# KiCad board Lime_RFE.kicad_pcb (continued)
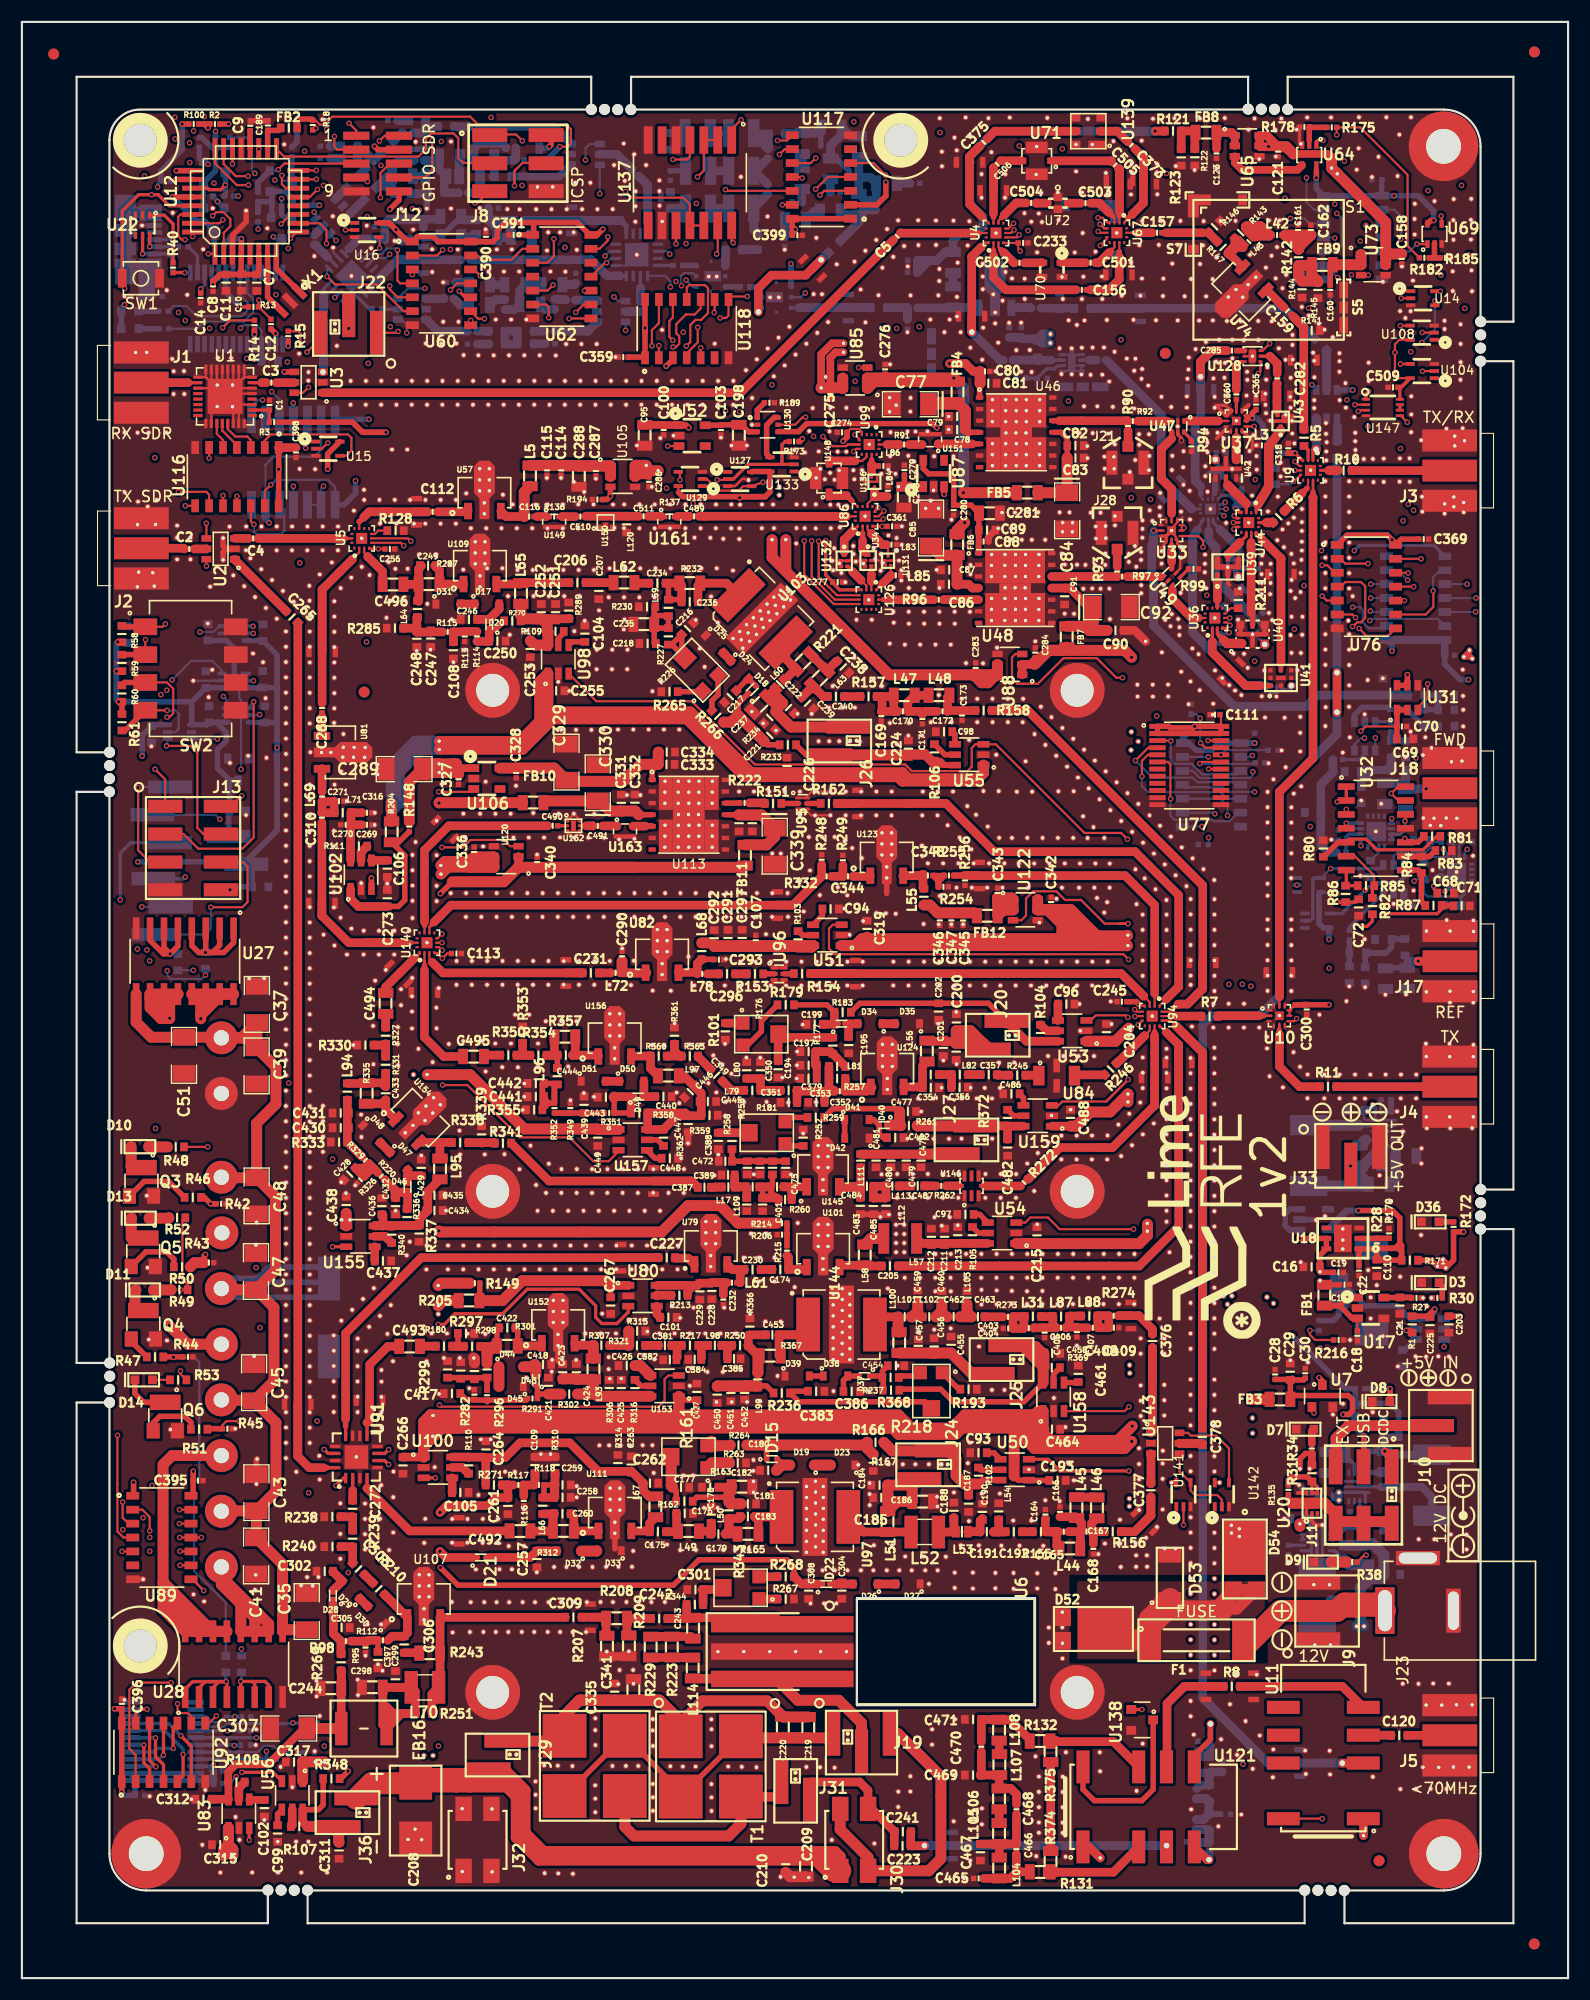
[diagram p0: board, top side]
## Routing (per net, layer and track width the routed paths; a pad name or vN(x,y) marks a point on that pad's centre or on a via; arc(x,y) is an arc through that point) (continued)
  T w0.5: 59.3,121.69 R226.2 60.22,120.77 C216.2 59.3,121.69 ; 59.3,121.69 R227.1
Net-(C217-Pad1): length 2.6
  T w0.5: D18.2 66.96,117.93 D24.2 65.18,117.5 C217.1
Net-(C218-Pad1): length 7.6
  T w0.5: C235.1 58.05,123.19 R227.2 L59.1 ; C235.1 57.7,124.34 ; C235.1 57.7,121.79 57.7,121.79 ; R230.2 57.7,125.04 57.7,124.34 ; 57.7,124.34 58.95,124.34 L59.1 ; L59.1 58.65,124.29
Net-(C219-Pad1): length 46.3
  T w0.3: 60.12,17.02 T2.1
  T w0.5: T2.3 T2.1 60.12,17.02 T1.3 T1.1 ; T1.1 66.38,22.07 ; T1.1 67.37,20.31
  T w0.79: 60.71,15.62 60.71,17.21
  T w1: 69.47,21.92 C219.1 ; C219.1 73.71,21.92 J19.1 ; C219.1 65.76,21.92 T1.1 65.72,21.96
Net-(C219-Pad2): length 49.9
  T w0.5: 49.52,23.15 T2.2 49.42,22.21
  T w1: 60.12,23.32 62.1,25.3 67.99,25.3 C220.2 69.47,23.83 C219.2 ; 58.22,25.32 60.12,23.43 58.16,25.38 C341.2 ; 58.22,25.32 50.85,25.32 49.52,23.99 ; 58.22,25.32 57.5,25.32 57.44,25.38 C335.2 50.91,25.38 49.52,23.99 ; 49.52,23.99 T2.2 ; 49.52,23.99 T2.2 ; T2.2 49.03,21.62 J29.2
Net-(C221-Pad1): length 12.3
  T w0.5: D18.1 65.35,116.29 65.35,115.24 68.05,112.54 R233.1
  T w1: R266.2 64.72,114.61 65.35,115.24 67.72,112.87 C221.1
Net-(C222-Pad2): length 14.8
  T w0.79: C237.2 68.76,117.66 L60.1 68.81,117.08 69.52,116.37 69.52,116.32 R234.2 ; C237.2 68.78,116.16 R234.2 ; C237.2 68.02,116.91 ; R234.2 70.19,114.16 ; R234.2 68.97,115.57
  T w1: R234.2 70.19,114.16 J26.1
Net-(C223-Pad2): length 17
  T w0.79: 71.76,14.9 71.76,17.61 72.04,17.89 76.44,17.89 77.21,17.12 77.21,16.05 ; 77.21,15.11 77.21,16.05 ; 77.21,16.05 77.21,15.15 77.21,16.05 ; J30.3 77.56,15.44 C241.2 79.61,13.32 C223.2
Net-(C224-Pad1): length 20.3
  T w0.5: R233.2 71.57,111.62 J26.2 ; 83.12,110.69 82.37,111.44 C224.1 80.72,111.62 80.98,111.89 82.49,111.89 R106.1 83.83,111.1 84.24,110.69 U55.6 83.12,110.69
  T w1: J26.2 80.72,111.62
Net-(C227-Pad1): length 2
  T w0.79: U79.1 60.81,65.69 59.6,65.69
Net-(C228-Pad1): length 9.9
  T w0.79: 62.96,63.46 C228.1 ; 62.96,63.46 C228.1 ; 62.96,63.46 L61.1 ; 62.96,63.46 64.05,63.46 64.01,63.42 C232.1 ; C228.1 62.92,63.42 C229.1 61.66,63.21 61.31,63.21 ; 61.31,63.21 60.75,62.66 R213.1 ; 61.31,63.21 U80.6
Net-(C230-Pad2): length 3.4
  T w0.5: L61.2 65.55,63.46
  T w0.79: 65.55,63.46 65.55,64.28 C230.2 64.84,64.66 U79.3
Net-(C231-Pad1): length 2.1
  T w0.5: C231.1 52.67,91.73 L72.2
  T w0.79: L72.2 53.73,91.73 C231.1
Net-(C234-Pad1): length 5.9
  T w0.5: C236.2 60,125.79 L59.2 59,127.04 C234.1
  T w0.79: C236.2 60.2,127.09 R232.2 C234.1
Net-(C234-Pad2): length 1.4
  T w0.79: L62.1 55.95,127.29 C234.2
Net-(C236-Pad1): length 6.8
  T w0.79: 64.85,126.74 U103.1 ; U103.1 64.3,127.29 R232.1 61.7,127.09 C236.1 ; U103.1 65.09,126.2
Net-(C238-Pad1): length 3.4
  T w0.79: R221.1 L63.2 74.33,120.17 C238.1
Net-(C239-Pad1): length 3.3
  T w0.79: C239.1 72.12,117.83 L63.1 73.14,116.95 C240.2
Net-(C242-Pad1): length 12
  T w0.79: 60.84,32.88 60.77,32.81 C242.1 ; 60.84,32.88 60.66,33.06 R344.2 ; 60.84,32.88 68.8,32.88 U6.1
Net-(C242-Pad2): length 3.9
  T w0.79: C242.2 57.39,32.83 R208.1 55.22,31.52 55.48,31.25
Net-(C243-Pad1): length 5.9
  T w0.79: 57.4,31.17 61.05,31.17 C243.1 ; 57.4,31.17 R229.1 57.4,31.17 ; 57.4,31.17 R223.1
Net-(C244-Pad1): length 23
  T w0.7: C307.1 25.74,22.78 22.47,19.5 19.52,19.5 18.83,18.81 R108.1 18.85,17.87 U83.6
  T w0.79: 29.12,28.02 29.14,27.99 FB16.1 29.17,22.75 ; U83.6 18.82,16.32 C312.1 ; R269.1 29.14,28.06 C244.1
  T w1: 29.12,22.75 FB16.1 29.14,22.78 C307.1
Net-(C246-Pad1): length 2.9
  T w0.79: C246.1 42.62,123.99 D20.2 43.56,124.93 D17.2
Net-(C247-Pad1): length 5
  T w0.79: R115.1 37.31,122.85 37.29,122.82 36.04,122.82 36.04,123.19 ; L64.1 36.04,124.13 36.04,123.19 ; 36.04,123.19 R285.2
Net-(C249-Pad1): length 6.3
  T w0.79: 37.67,128.88 38.1,128.45 R287.1 ; R287.1 38.12,127.21 U109.1 40.28,127.19 R287.1
Net-(C249-Pad2): length 4.8
  T w0.79: 36.47,128.88 36.2,128.61 R287.2 ; R287.2 36.19,127.19 C496.2 ; R287.2 36.22,127.17 36.22,125.63
Net-(C250-Pad1): length 3.8
  T w0.5: R270.2 43.21,123.07 D20.1
  T w0.79: R114.2 42.54,121.99 42.65,122.09 D20.1
Net-(C251-Pad2): length 15
  T w0.7: C252.2 47.95,123.34 R109.1
  T w0.79: 45.5,125.37 L65.1 45.53,124.34 ; 47.35,123.99 47.4,124.04 ; 47.4,124.04 R289.1 49.95,124.09 ; 47.4,124.04 47.3,123.94 ; 47.4,124.04 48.7,124.04 ; 46.65,123.94 47.9,123.94
  T w1: 47.95,123.89 47.9,123.94 47.95,123.89 ; 47.95,123.89 R109.1 ; 48,122.84 R109.1 ; 48,122.84 R109.1 ; 48,122.84 U98.6 46.8,121.64 C253.1 ; L65.1 45.53,124.34 45.83,124.04 47.4,124.04
Net-(C254-Pad1): length 1
  B w0.5: L26.2 36.81,166.88 C254.1
Net-(C257-Pad1): length 8.8
  T w0.5: 46.39,38.39 C257.1 ; 48.79,38.99 D32.2 48.8,38.98 47.66,38.98 ; D21.2 42.66,38.39
  T w0.79: 48.79,38.99 D32.2 48.79,38.99 ; 48.79,38.99 C257.1 46.39,38.39 42.66,38.39
Net-(C258-Pad1): length 7.7
  T w0.5: 48.61,43.87 48.6,43.86 L66.1 47.64,43.96 R118.1 48.63,45
  T w0.79: 48.61,43.87 48.63,43.89 48.63,45 48.65,45.01 R310.1 ; C259.1 C258.1 48.57,43.86 L66.1
Net-(C260-Pad1): length 3.9
  T w0.79: C260.1 50.36,42.09 R312.1 50.38,40.81 U111.1
Net-(C260-Pad2): length 6.1
  T w0.79: C492.2 46.41,40.79 R312.2 ; L66.2 48.57,42.36 C260.2 48.46,42.25 R312.2 ; R312.2 48.46,42.12
Net-(C261-Pad1): length 17.3
  T w0.5: v1(38.15,38.94) 38.7,38.39
  T w0.79: 43.82,45 R271.2 44.35,45 ; 44.35,45 44.35,44.74 44.35,45 ; 44.35,45 R117.2 ; 44.35,45 44.35,43.79 ; v1(38.15,38.94) 38.7,38.39 D21.1 ; v1(38.15,42.49) 38.78,43.13 42.51,43.13 43.23,43.84 C261.1
  SIG1 w0.79: v1(38.15,38.94) v1(38.15,42.49)
Net-(C262-Pad2): length 23.8
  T w0.79: 42.2,47.54 42.32,47.41 R271.1 ; C264.1 44.1,47.49 45.45,48.84 50,48.84 52.6,46.24 R314.2 55.59,46.24 55.61,46.27 56.71,45.16 56.71,44.47 57.22,43.96 L67.1 ; 41.95,47.54 R110.1 40.75,47.55 U100.6
Net-(C265-Pad2): length 6.7
  T w0.79: C265.2 19.43,129.43 U2.1
Net-(C268-Pad2): length 2.1
  T w0.2: 27.38,115.44 C268.2
  T w0.5: C268.2 27.38,115.44 27.38,115.1 ; U81.1 27.38,113.75
  T w0.79: 27.38,113.75 27.39,113.75 27.38,113.76 27.38,115.1
Net-(C269-Pad2): length 6.4
  T w0.79: C270.2 30.02,105.27 L71.1 31.04,106.35 C316.1 ; C270.2 R111.1 U102.6 ; C270.2 C269.2
Net-(C271-Pad1): length 4.4
  T w0.79: 27.39,106.36 C310.1 27.38,106.35 L71.2 28.49,106.38 C271.1 28.45,107.37 L69.1 27.39,106.36
Net-(C272-Pad1): length 2.3
  T w0.79: R239.1 C272.1 30.16,42.1 R238.2
Net-(C282-Pad2): length 2.7
  T w0.3: U128.2 113.89,148.01
  T w0.79: 113.89,148.01 114.56,147.34 C282.2
Net-(C285-Pad1): length 0.7
  T w0.5: C285.1 111.56,148.52 U128.4
Net-(C290-Pad1): length 4.9
  T w0.79: U82.1 56.91,91.73 L72.1 ; 55.33,91.71 56.87,91.71 56.92,91.77
  T w1: 56.91,91.73 U82.1 ; C290.1 54.76,91.87
Net-(C293-Pad1): length 4.6
  T w0.5: C293.1 63.12,92.97 L68.2
  T w0.79: 61.64,92.57 L68.2 61.64,92.57 ; 61.64,92.57 L78.2 ; 59.9,91.78 61.32,91.78
Net-(C294-Pad2): length 5.3
  B w0.79: 119.06,148.28 119.05,148.28 119.05,146.58 ; 119.05,146.58 U8.5 ; 119.05,146.58 119.05,148.55 C294.2
Net-(C295-Pad1): length 1.2
  B w0.79: C295.1 34.64,168.37 L27.2
Net-(C295-Pad2): length 3.4
  B w0.79: C295.2 36.8,168.37 L26.1 36.82,168.91 ; 36.82,168.91 36.82,169.49 L23.1 ; 36.82,168.91 36.85,168.94 L20.1
Net-(C296-Pad2): length 1.1
  T w0.79: C296.2 63.59,91.64 L78.1
Net-(C298-Pad1): length 18.8
  T w0.79: L70.1 35.91,26.15 R251.2 ; L70.1 35.52,26.52 ; L70.1 35.38,26.38 ; L70.1 35.52,26.52 ; L70.1 C298.1 32.93,23.13 FB16.2 ; 35.52,26.52 C299.1 ; FB16.2 34.65,24.14 R251.2 ; FB16.2 33.28,24.74 33.88,24.14 R251.2
Net-(C301-Pad2): length 3.4
  T w0.79: R343.2 63.84,35.45 62.07,35.45 62.16,35.36 R344.1
Net-(C302-Pad1): length 2.5
  T w0.79: C302.1 28.38,37.09 D29.2 28.4,35.38 D28.2
Net-(C303-Pad1): length 1.1
  T w0.79: R210.2 31.27,36.81 C303.1
Net-(C303-Pad2): length 2.6
  T w0.79: C303.2 30.18,37.87 R239.2 30.16,39.37 R240.2
Net-(C304-Pad1): length 2
  T w0.79: D22.2 73.88,35.96 74.82,35.96 D26.2
Net-(C305-Pad1): length 5.2
  T w0.79: R269.2 29.11,29.59 R98.2 28.42,31.44 C305.1 28.44,32.02 28.44,33.24 28.38,33.3 D28.1
Net-(C306-Pad1): length 1.4
  T w0.79: R243.1 36.22,29.69 C306.1
Net-(C306-Pad2): length 8.3
  T w0.79: 34.42,33.68 33.11,34.99 R210.1 33.1,34.99 U107.1 35.17,31.49 C306.2 33.77,31.19 R112.1
Net-(C308-Pad1): length 65.6
  T w0.5: v1(38.18,37.46) 39.78,35.86 59.46,35.86 61.78,38.18 69.81,38.18 70.45,37.53 R268.2 ; v1(29.77,18.87) 29.1,18.2 R348.1
  T w0.79: R268.2 71.13,35.96 71.79,35.96 71.8,35.97 D22.1
  SIG1 w0.5: v1(29.78,37) 29.77,36.99 v1(29.77,18.87)
  SIG2 w0.5: v1(29.78,37) 30.24,37.46 v1(38.18,37.46)
Net-(C309-Pad2): length 20.5
  T w0.79: C309.2 49.57,32.92 U107.3 38.16,32.91 R243.2 38.16,26.67 L70.2 37.41,25.92 R251.1
Net-(C311-Pad1): length 9.5
  T w0.5: R348.2 27.49,15.8 27.06,15.37 U56.6
  T w0.79: 26.05,13.83 R107.1 25.62,14.28 U56.6
  T w1: J36.2 28.91,12.42 C311.1 ; R107.1 27.89,13.84
Net-(C313-Pad2): length 2.4
  B w0.3: 120.04,142.33 120.04,141.33 120.03,141.31
  B w0.79: 120.04,141.64 120.04,140.25
  B w0.86: 120.04,140.25 120.04,140.25
Net-(C314-Pad1): length 1
  B w0.79: C314.1 29.12,167.17 L28.2
Net-(C320-Pad1): length 5
  B w0.79: 42.97,164.41 43.1,164.54 L73.2 43.42,165.89 C320.1 45.08,166.02 C321.2
Net-(C321-Pad1): length 8.7
  B w0.79: C321.1 43.78,167.42 41.67,167.42 41.2,166.95 L73.1 41.81,165.6 L74.2 41.81,162.92 C322.1 C323.2
Net-(C323-Pad1): length 6.4
  B w0.79: C323.1 39.84,162.92 C324.1 38.55,164.23 L76.2 38.05,165.12 38.05,166.2 37.72,165.87 C325.2
Net-(C325-Pad1): length 8.3
  B w0.79: L77.1 33.76,165.22 34.4,165.87 C325.1 ; L77.1 33.76,163.07 C326.1 33.31,163.51 32.45,163.51 33.37,164.43 L77.1
Net-(C330-Pad1): length 15.9
  T w0.5: C330.1 52.39,107.26 FB10.1 ; C332.1 56.28,106.16 U113.4
  T w1: 52.65,107.5 53.66,106.49 C331.1 54.72,106.51 C332.1 56.28,106.16 ; FB10.1 47.76,107.42 C330.1
Net-(C337-Pad1): length 8.8
  T w0.5: C337.1 65.42,106.16 U113.11
  T w1: 65.42,106.16 C337.1 C338.1 67.5,106.14 C339.1 68.7,104.14 67.97,103.41 66.01,103.41
Net-(C343-Pad1): length 7.7
  T w1: 89.05,98.57 89.05,98.26 89.82,97.48 U122.2 ; 89.05,98.57 90.31,98.57 U122.1 U122.2 ; 89.05,98.57 C343.1 89.05,98.57 FB12.2 89.58,97.48 U122.2
Net-(C344-Pad1): length 1.6
  T w0.79: U123.1 77.36,100.54 C344.1
Net-(C344-Pad2): length 2.1
  T w0.79: R249.1 74.92,100.55 C344.2 R332.1
Net-(C345-Pad1): length 7.5
  T w0.2: FB12.1 87.14,96.96 C345.1 ; C346.2 C347.2
  T w1: FB12.1 86.89,97.21 83.57,97.21 82.86,97.92 L55.1
Net-(C348-Pad1): length 3.5
  T w0.5: R255.2 C348.1 83.64,100.1 R254.1
  T w0.6: R255.2 83.64,100.11 R254.1
Net-(C348-Pad2): length 4.9
  T w0.79: 82.21,100.6 C348.2 ; 82.21,100.6 81.84,100.6 ; 82.21,100.6 C348.2 ; C348.2 82.22,99.51 L55.2 ; 82.18,100.61 80.4,100.61 81.82,100.61
  T w1: 82.21,100.6 C348.2 82.21,100.6
Net-(C349-Pad1): length 2.3
  T w0.79: C349.1 64.77,81.01 L79.2
Net-(C350-Pad2): length 4.5
  T w0.79: 69.21,81.01 C351.2 ; C351.2 69.25,80.98 ; C351.2 69.22,81.01 L79.1 67.4,82.09 C350.2 ; C350.2 67.4,81.81 ; C350.2 L80.1
Net-(C351-Pad1): length 8.2
  T w0.79: 74.08,81.04 C353.2 73.65,80.94 ; 73.65,80.94 70.8,80.94 C351.1 70.73,81 R181.2 ; 73.65,80.94 73.25,80.54 C352.1 ; 73.65,80.94 R257.2 L81.2
Net-(C353-Pad1): length 7.7
  T w0.79: U124.1 77.07,80.94 C353.1 75.15,81 R257.1 ; 75.18,81.25 77.46,81.25 77.47,81.27 ; 77.48,81.29 77.42,81.23 75.88,81.23
  T w1: 77.46,81.25 77.47,81.27
Net-(C354-Pad1): length 4.3
  T w0.79: U124.3 82.13,81.32 C354.1 82.19,81.27 C355.1 82.19,83.23 L56.2
Net-(C355-Pad2): length 2.3
  T w0.79: C356.1 84.84,81.31 L82.2 84.83,82.45 C355.2
Net-(C357-Pad2): length 1.1
  T w0.79: L82.1 86.34,82.45 C357.2
Net-(C358-Pad2): length 1.2
  B w0.5: U30.1 126.03,98.89 C358.2
Net-(C360-Pad1): length 3
  T w0.3: U128.6 111.28,147.51 110.82,147.06
  T w0.79: C360.1 110.82,147.06
Net-(C366-Pad1): length 1
  B w0.79: C366.1 29.11,166.08 L29.2
Net-(C367-Pad1): length 1.1
  B w0.79: L30.2 30.7,164.43 C367.1
Net-(C367-Pad2): length 3.9
  B w0.79: 30.63,166.6 31.34,166.6 C367.2 32.82,166.56 L27.1 ; 30.63,166.6 30.63,167.17 L28.1 ; 30.63,166.6 L29.1
Net-(C370-Pad1): length 1
  B w0.79: L116.1 42.57,149.11 C370.1
Net-(C371-Pad1): length 1
  B w0.79: L117.1 46.73,149.14 C371.1
Net-(C372-Pad2): length 1
  B w0.79: C372.2 L118.1
Net-(C373-Pad1): length 2.9
  T w0.79: C373.1 99.96,168.54 U139.2 98.46,168.55
Net-(C375-Pad2): length 8.4
  T w0.79: C375.2 88.79,168.54 U139.5
Net-(C376-Pad1): length 14.1
  T w0.1: U143.1 103.02,49.77
  T w0.2: 103.02,49.77 U143.1
  T w0.5: 103.02,49.77 U143.1 ; 103.17,57.54 103.17,54.42
  T w0.79: U143.1 103.17,49.9 103.17,57.54 103.18,57.52 103.18,54.41
Net-(C377-Pad2): length 2.8
  T w0.1: U143.3 103.02,47.85
  T w0.79: U143.3 103.03,45.12 103.02,45.11
Net-(C378-Pad1): length 5.9
  T w0.1: 107.48,48.81 107.49,48.82
  T w0.2: 107.48,48.81 U143.5
  T w0.79: 107.72,48.79 105.65,48.79 U143.5 107.02,48.81 106.5,48.81
Net-(C378-Pad2): length 79.8
  T w0.1: 104.1,87.39 104.49,87.39
  T w0.2: 104.1,87.39 104.49,87.39 104.1,87.39 ; 104.1,87.39 104.83,87.39 105.35,86.87 ; C378.2 107.76,50.49 107.72,50.46 C378.2 ; C378.2 107.72,52.56 107.76,52.59 107.76,52.28 107.72,52.24 107.76,52.24
  T w0.79: 107.76,52.38 107.76,52.59 107.76,52.24 107.76,84.46 105.35,86.87 107.72,84.49 107.72,50.52
Net-(C381-Pad1): length 2.5
  T w0.79: 59.32,57.74 59.79,57.74 59.79,56.66 59.8,56.65 ; C381.1 R217.2
Net-(C383-Pad2): length 15.2
  T w0.5: R218.2 82.4,52.59 70.9,52.59 R236.1 70.26,53.55 C383.2
Net-(C384-Pad1): length 1.7
  T w0.79: 62.01,56.61 62.01,57.7 62.05,57.74 62.56,57.74 62.56,57.74
Net-(C385-Pad1): length 2.3
  T w0.79: C385.1 64.38,57.33 R250.2 L98.1
Net-(C386-Pad1): length 2.7
  T w0.5: 75.3,54.88 D38.2 ; D38.2 74.97,54.55 C386.1 ; D38.2 D37.2
Net-(C387-Pad1): length 1
  T w0.79: C387.1 63.27,72.17 63.29,72.19 L17.2
Net-(C388-Pad2): length 3.2
  T w0.5: 66.3,77.24 R253.2
  T w0.79: R253.2 R258.1 C388.2
  T w1: 66.4,76.94 R253.2
Net-(C389-Pad2): length 3.1
  T w0.79: L109.1 66.15,72.14 C400.2 65.51,72.21 65.49,72.19 L17.1 65.04,72.22 65.04,73.22
Net-(C393-Pad1): length 1.1
  B w0.2: C393.1 124.01,80.12 U90.9
Net-(C397-Pad1): length 3.7
  T w0.5: R112.2 32.49,30.81 C397.1
  T w0.79: R112.2 31.58,30.82 R95.1 31.2,30.75 R98.1
Net-(C400-Pad1): length 6.8
  T w0.5: 68.31,73.16 L110.2 68.5,72.39 C476.2 ; R260.2 68.31,71.77 C476.2 ; C400.1 67.6,71.89 C401.1 ; C476.2 68.31,72.02
  T w0.79: 68.33,72.23 C476.2 68.31,72.21 C400.1 ; R260.2 68.9,71.19 C401.1
Net-(C402-Pad1): length 2.8
  T w0.5: D41.2 77.72,78.34 D40.2 78.22,77.07 78.6,76.69 C402.1
Net-(C403-Pad1): length 4.2
  T w0.79: 91.4,59.28 C404.2 91.43,60.3 L31.2 90.47,60.37 R273.1 90.44,59.29 C403.1 91.4,59.28
Net-(C404-Pad1): length 4.3
  T w0.79: C404.1 92.37,59.35 C405.1 94.36,59.35 C406.2 94.08,59.63 L87.2 94.07,60.37 93.01,60.37 L31.1
Net-(C406-Pad1): length 4.3
  T w0.79: L88.2 95.63,60.42 L87.1 95.58,59.65 C406.1 95.32,59.39 C407.1 96.32,59.35 C408.2
Net-(C408-Pad1): length 4.2
  T w0.79: 98.19,60.45 R274.2 99.18,59.37 C409.1 99.2,59.35 C408.1 98.17,60.4 L88.1 98.19,60.45
Net-(C410-Pad1): length 6.1
  B w0.5: 107.17,12.48 107.21,12.44 107.21,13.68 107.17,13.72 C411.2 107.17,12.48
  B w0.79: 107.21,12.44 107.27,12.38 R275.1 108.34,13.45 L89.2 108.23,13.57 C411.2 107.21,13.53
Net-(C411-Pad1): length 4.9
  B w0.5: C412.1 109.36,14.97 L89.1
  B w0.79: 107.17,16.35 C413.2 108.05,16.39 L90.2 108.32,16.09 L89.1 107.82,14.47 C411.1
Net-(C413-Pad1): length 6.1
  B w0.5: 107.21,18.65 C415.2 ; C414.1 109.38,18.72 L91.2
  B w0.79: L91.2 108.34,18.67 L90.1 107.52,17.6 C413.1 ; L91.2 108.49,18.82 109.54,18.82 ; L91.2 107.27,18.72 C415.2 107.21,18.65
Net-(C415-Pad1): length 3.5
  B w0.5: C415.1 107.31,19.65 C416.1
  B w0.79: R276.2 108.38,21.15 L91.1 107.81,20.22 C416.1
Net-(C417-Pad1): length 6.5
  T w0.5: 42.45,52.59 R296.2 46,52.74 R291.1 ; C417.1 40.55,52.79 R282.2 ; 41.25,52.74 42.3,52.74
Net-(C418-Pad1): length 2.1
  T w1: D43.2 46.9,55.89 C418.1 46.6,55.79 D44.2
Net-(C419-Pad1): length 5.7
  T w0.5: 42.45,54.59 R296.1 L92.1 R299.1
Net-(C421-Pad1): length 3.5
  T w0.5: 47.05,53.34 47.05,53.97 D43.1 ; 47.05,53.34 R291.2 ; 47.05,53.34 47.1,53.29 C421.1
  T w1: R302.2 C421.1
Net-(C422-Pad1): length 4.1
  T w0.5: 44.9,59.34 45.25,58.99 R301.1
  T w0.79: U152.1 47.19,57.69 R301.1
Net-(C422-Pad2): length 7.2
  T w0.5: 42.45,57.39 L92.2 ; 43.7,59.34 43.34,58.99 R301.2
  T w0.79: R301.2 43.3,57.64 R298.1
  T w1: R301.2 43.05,57.64 42.45,57.04 42.45,57.39 42.45,56.09
Net-(C423-Pad2): length 11.3
  T w1: 52.6,53.09 R306.2 C425.1 R316.1 U153.6 ; 52.6,53.09 52.15,53.54 L93.1 50.65,54.64 50.6,54.69 49.35,54.69 ; 52.6,53.09 52.4,53.29 R302.1
Net-(C426-Pad1): length 1.8
  T w1: U153.4 56.45,55.89 C426.1
Net-(C428-Pad1): length 4.8
  T w0.79: 32.07,73.92 R220.1 ; 32.07,73.92 31.97,73.92 R326.2 31.19,73.16 C428.1 31.24,73.9 R329.2 32.07,73.92
Net-(C429-Pad1): length 2.4
  T w0.79: D47.2 35.2,73.74 35.2,73.23 ; 35.2,73.23 36.39,73.23 C429.1 ; 35.2,73.23 D46.2
Net-(C430-Pad1): length 5.7
  T w0.79: R329.1 R333.1 L94.1
Net-(C432-Pad1): length 5.8
  T w0.79: R336.2 35.2,70.24 D46.1 ; D46.1 35.17,71.69 34.05,71.69 34.05,71.24 C432.1 ; D46.1 34.27,71.72 R220.2
Net-(C433-Pad1): length 4
  T w0.79: U154.1 33.2,79.31 33.2,80.14 32.84,79.79 R335.1
Net-(C433-Pad2): length 4.9
  T w0.79: R331.1 33.2,81.34 32.84,81.69 R335.2 31.39,81.64 L94.2
Net-(C434-Pad2): length 17.8
  T w0.79: 32.95,68.64 33.7,68.64 ; 32.95,68.64 32.95,69.64 32.9,69.69 ; 32.95,68.64 U155.6 32.25,68.69 R337.2 ; 33.85,68.69 R337.2 ; 33.85,68.69 R337.2 ; 33.85,68.69 R340.1 ; 35.05,68.69 36.3,68.69 36.3,69.29 37.05,70.04 37.05,71.79 L95.1
Net-(C437-Pad1): length 1.3
  T w0.79: C437.1 U155.4
Net-(C439-Pad1): length 7.9
  T w0.5: R349.2 C439.1 R351.1 51,78.94 ; R349.2 R352.2 ; R349.2 48.85,78.94
Net-(C440-Pad1): length 2.5
  T w0.79: D50.2 56.76,80.48 D49.2 C440.1
Net-(C441-Pad1): length 12.7
  T w0.5: 48.1,79.84 47.5,80.44 ; 48.1,79.84 R355.1 ; 48.1,79.84 R352.1 ; 47.5,80.44 R355.1 ; 47.5,80.44 47.5,81.64 ; R355.1 47.5,81.64 ; L96.1 48.6,81.29 R352.1 ; R352.1 48.6,80.89 ; R352.1 48.6,81.54 48.5,81.64 47.5,81.64
Net-(C443-Pad1): length 6.2
  T w0.5: C443.1 R351.2 R358.2
  T w0.79: C443.1 54.1,80.44 D49.1 55.6,80.27 55.6,79.09
Net-(C444-Pad1): length 4.2
  T w0.79: 52.53,84.17 U156.1 ; R357.1 50.5,84.48 50.24,84.22 52.59,84.22
Net-(C444-Pad2): length 5.4
  T w0.5: 48.6,84.35 48.73,84.21 49.04,84.22 ; C444.2 48.86,84.2 L96.2
  T w0.7: 48.86,84.2 C444.2
  T w0.79: C444.2 48.88,84.21 R354.1 48.4,84.21 48.4,84.24 48.7,84.24 48.73,84.21 48.59,84.35 R357.2
Net-(C445-Pad2): length 15.5
  T w0.79: C447.1 61.95,78.69 R359.2 62,80.74 60.39,82.34 L97.1 ; C447.1 59.8,78.69 R362.1 U157.6 57.1,77.49 R358.1 60.55,78.94 C447.1
Net-(C448-Pad1): length 2.7
  T w0.2: 57.77,74.81 U157.4
  T w0.5: U157.4 57.77,74.81 C448.1
Net-(C450-Pad1): length 7.9
  T w0.5: 67.15,54.04 67.95,54.04 R236.2
  T w1: C450.1 63.5,54.04 67.15,54.04 66,54.04 C452.1 64.7,53.99
Net-(C453-Pad1): length 7.6
  T w0.79: C453.1 69.09,56.8 69.07,56.79 ; C453.1 71.69,58.7 ; C453.1 70.8,58.7 U144.1
Net-(C453-Pad2): length 6.8
  T w0.79: 67.17,56.79 66.24,57.72 ; R367.2 67.24,56.79 R250.1 66.29,58.55 R366.2 67.88,58.7 C453.2
  T w1: 67.17,56.79 67.17,55.27 67.15,55.24
Net-(C454-Pad1): length 3.7
  T w0.5: C454.1 78.52,55.39 R237.2 ; 78.6,53.74 78.6,54.94 D37.1
Net-(C455-Pad2): length 10.6
  T w0.79: C456.2 83.05,57.09 C457.2
  T w1: 83,57.09 82.94,57.04 L100.1 ; 83.25,57.04 C455.2 86.67,55.17 J25.1
Net-(C458-Pad1): length 28.5
  T w0.5: U158.6 91.45,52.59 85,52.59 83.85,53.74 80.05,53.74
  T w0.79: J25.2 92.57,57.71 C458.1 ; R369.1 93.26,55.73
  T w1: 93.2,55.79 91.28,57.71 J25.2 91.7,57.71 93.23,56.18 R369.1 93.26,55.73 C458.1 ; 93.2,55.79 93.15,55.84 ; 93.2,55.79 U158.6
Net-(C459-Pad2): length 2.5
  T w0.79: L101.1 L102.2
  T w1: L101.1 81.24,60.34 81.75,60.84 C459.2
Net-(C460-Pad1): length 2.4
  T w0.79: C462.2 83.41,60.35 L102.1
  T w1: 84.42,60.34 C462.2 ; L102.1 83.95,60.89 C460.1
Net-(C461-Pad1): length 1.3
  T w0.5: C461.1 96.35,54.34 U158.4
Net-(C462-Pad1): length 3.3
  T w0.79: C462.1 C463.2
  T w1: L103.1 86.25,60.74 C463.2 C462.1
Net-(C465-Pad1): length 6.1
  T w0.79: 90.77,9.69 90.17,9.09 L104.2 89.19,9.09 C465.1 ; 90.77,9.69 R131.1 ; 90.77,9.69 90.75,9.71 C466.2
Net-(C466-Pad1): length 7.3
  T w0.79: L105.2 89.19,12.23 L104.1 ; L105.2 89.17,12.23 C467.1 ; L105.2 90.72,12.24 C466.1 90.76,12.22 C468.2
Net-(C468-Pad1): length 8
  T w0.79: C470.2 C469.1 87.46,18.52 87.45,18.53 L107.2 89.18,18.5 L106.1 90.24,17.31 90.76,16.78 C468.1
Net-(C470-Pad1): length 7.3
  T w0.79: R132.2 91.97,21.78 90.17,23.58 L108.1 89.16,23.59 87.62,23.59 ; C470.1 C471.1
Net-(C472-Pad1): length 8.6
  T w0.5: 65.9,74.54 L110.1 ; R258.2 C472.1 C473.1 C474.1 L110.1 ; L110.1 C475.1
Net-(C476-Pad1): length 3.7
  T w0.5: 70.25,71.74 69.78,72.21 C476.1
  T w0.79: U145.1 71.6,72.21 C476.1 69.53,72.23 ; R260.1 70.25,71.74
Net-(C477-Pad1): length 9.7
  T w0.5: C477.1 79.85,79.34 74,79.34 R259.1
  T w1: C477.1 80.1,77.89 R261.1 80.15,77.84 D40.1
Net-(C478-Pad2): length 14.4
  T w0.79: C479.2 C478.2 L111.1 C481.2 C480.2 C479.2
  T w1: J27.1 85.37,75.19 C478.2
Net-(C482-Pad1): length 10.9
  T w0.79: R372.1 89.93,77.76 J27.2 ; R372.1 U159.6 ; R372.1 C482.1
  T w1: R261.2 81.73,77.76 J27.2
Net-(C483-Pad1): length 8.4
  T w0.1: C484.2 76.47,72.21 U145.3
  T w0.79: U145.3 74.65,72.26 C484.2 ; C484.2 76.55,72.29 L111.2 ; C484.2 76.53,72.24 76.53,71.2 ; 76.37,72.12 74.64,72.12 74.6,72.08
Net-(C484-Pad1): length 4.4
  T w0.79: 78.81,72.26 L113.2 78.85,72.27 78.85,71.22 78.81,71.19 77.71,71.19 77.71,71.19 C484.1 78.81,72.26
Net-(C486-Pad1): length 1.2
  T w0.5: C486.1 91.4,80.34 U159.4
Net-(C487-Pad2): length 1.1
  T w0.79: L113.1 80.04,72.29 C487.2
Net-(C489-Pad2): length 1.1
  T w0.5: 60.89,133.39 C489.2
  T w0.79: C489.2 60.89,133.39 U161.2
Net-(C490-Pad1): length 0.9
  T w0.3: C490.1 U162.2
Net-(C491-Pad1): length 1.3
  T w0.3: 54.28,105.14 U163.1
  T w0.79: U163.1 54.28,105.14 C491.1
Net-(C491-Pad2): length 1.2
  T w0.3: 52.09,105.15 C491.2 ; U162.5 51.51,105.15
  T w0.79: C491.2 52.09,105.15 51.51,105.15
Net-(C493-Pad2): length 1.4
  T w0.79: C493.2 36.35,57.67 R180.2
Net-(C494-Pad2): length 1.2
  T w0.79: C494.2 R327.2
Net-(C495-Pad2): length 1.5
  T w0.79: C495.2 42.28,84.22 R350.2
Net-(C498-Pad1): length 1.6
  B w0.79: C498.1 39.99,152.68 L36.1
Net-(C501-Pad1): length 4.3
  T w0.1: C501.1 97.07,156.54 U70.1
  T w0.79: C501.1 94.92,156.54 U70.1
Net-(C502-Pad2): length 1.6
  T w0.79: U70.2 93.05,156.53 C502.2
Net-(C503-Pad1): length 1.1
  T w0.79: U72.2 C503.1
Net-(C504-Pad2): length 3.1
  T w0.1: U72.4 93.57,161.99 C504.2
  T w0.5: 92.57,161.97 U72.4
  T w0.79: U72.4 92.57,161.97 C504.2
Net-(C505-Pad1): length 5.6
  T w0.1: 99.41,165.83 99.45,165.78
  T w0.5: 99.38,165.84 C505.1
  T w0.79: 99.41,165.83 99.45,165.78 ; 99.38,165.84 C505.1 99.38,165.84 ; 99.38,165.84 U71.1
Net-(C506-Pad2): length 1.8
  T w0.1: 89.32,165.83 89.31,165.82
  T w0.79: 89.33,165.84 C506.2 91.1,165.85 U71.2
Net-(C508-Pad2): length 11.9
  T w1: v1(121.25,74.12) 121.27,74.14 J33.2
  B w0.2: C508.2 124.01,75.52 U90.6
  B w1: R134.2 122.36,74.09 123.76,75.49 C508.2 ; R134.2 121.27,74.09 v1(121.25,74.12) ; R134.2 122.12,73.23 R12.2 122.73,72.28 L119.1
Net-(C510-Pad1): length 10.3
  T w0.5: 52.76,133.32 52.71,133.37 C510.1 ; 52.76,133.32 53.76,133.32 53.85,133.41 L120.1 56.28,133.41 C511.2 ; 52.76,133.32 53.26,133.32
  T w0.79: 51.45,133.41 L120.1 55.19,133.4 C511.2
Net-(C510-Pad2): length 2.4
  T w0.5: C510.2 50.51,133.37 U149.2
  T w0.79: U149.2 49.31,133.37 C510.2
Net-(C511-Pad1): length 1.2
  T w0.5: 58.32,133.4 U161.1
  T w0.79: U161.1 58.32,133.4 C511.1
Net-(CON1-Pad2): length 3.7
  T w0.3: U22.6 v1(11.66,158)
  B w0.3: v1(11.66,158) 11.67,157.99 CON1.2 R39.2
Net-(CON1-Pad3): length 7.7
  T w0.3: U22.1 12.99,160.87 13.79,160.07 v1(13.79,158.64) R40.2
  B w0.3: CON1.3 v1(13.79,158.64)
Net-(D1-Pad2): length 1.8
  B w0.5: R16.2 D1.2
Net-(D2-Pad2): length 1.8
  B w0.5: D2.2 10.65,152.12 R17.2
Net-(D3-Pad1): length 1.5
  T w0.5: D3.1 129.61,63.18 R30.1
Net-(D7-Pad1): length 1.4
  T w0.7: R34.1 117.71,49.9 D7.1
Net-(D8-Pad1): length 3.4
  T w0.5: v1(124.85,53.79) 124.85,52.63 D8.1
  B w0.5: R35.1 v1(124.85,53.79)
Net-(D9-Pad1): length 1.5
  T w1: D9.1 R38.1
Net-(D10-Pad1): length 1.7
  T w1: D10.1 11.59,75.85 R48.1
Net-(D10-Pad2): length 1.8
  T w1: 9.95,74.04 9.97,74.06 D10.2
Net-(D11-Pad1): length 1.6
  T w1: R49.1 13.61,62.8 D11.1
Net-(D11-Pad2): length 1.8
  T w1: D11.2 10.32,62.71 10.32,61.01
Net-(D13-Pad1): length 1.8
  T w1: R52.1 13.37,69.34 D13.1
Net-(D13-Pad2): length 1.8
  T w1: D13.2 9.97,69.31 9.97,67.53
Net-(D14-Pad1): length 1.6
  T w0.2: D14.1 R53.1
Net-(D14-Pad2): length 4.4
  T w0.5: Q6.3 11.11,52.54 10.31,53.35 D14.2
Net-(D17-Pad1): length 1.3
  T w0.79: D31.2 D17.1
Net-(D19-Pad1): length 1.5
  T w1: D19.1 D23.2
Net-(D24-Pad1): length 1.1
  T w0.79: D25.2 64.71,120.23 D24.1
Net-(D26-Pad1): length 1.7
  T w0.79: D27.2 79.74,35.96 D26.1
Net-(D29-Pad1): length 1.1
  T w0.79: D30.2 30.83,34.65 D29.1
Net-(D32-Pad1): length 1.4
  T w1: D33.2 52.44,38.97 D32.1
Net-(D34-Pad1): length 1.2
  T w0.79: D34.1 D35.2
Net-(D36-Pad1): length 1.3
  T w0.5: R172.2 130.64,69.01 D36.1
Net-(D38-Pad1): length 1.3
  T w0.5: D38.1 D39.2
